# Altium PCB PCB22.PcbDoc (part 12 of 16) (continued)
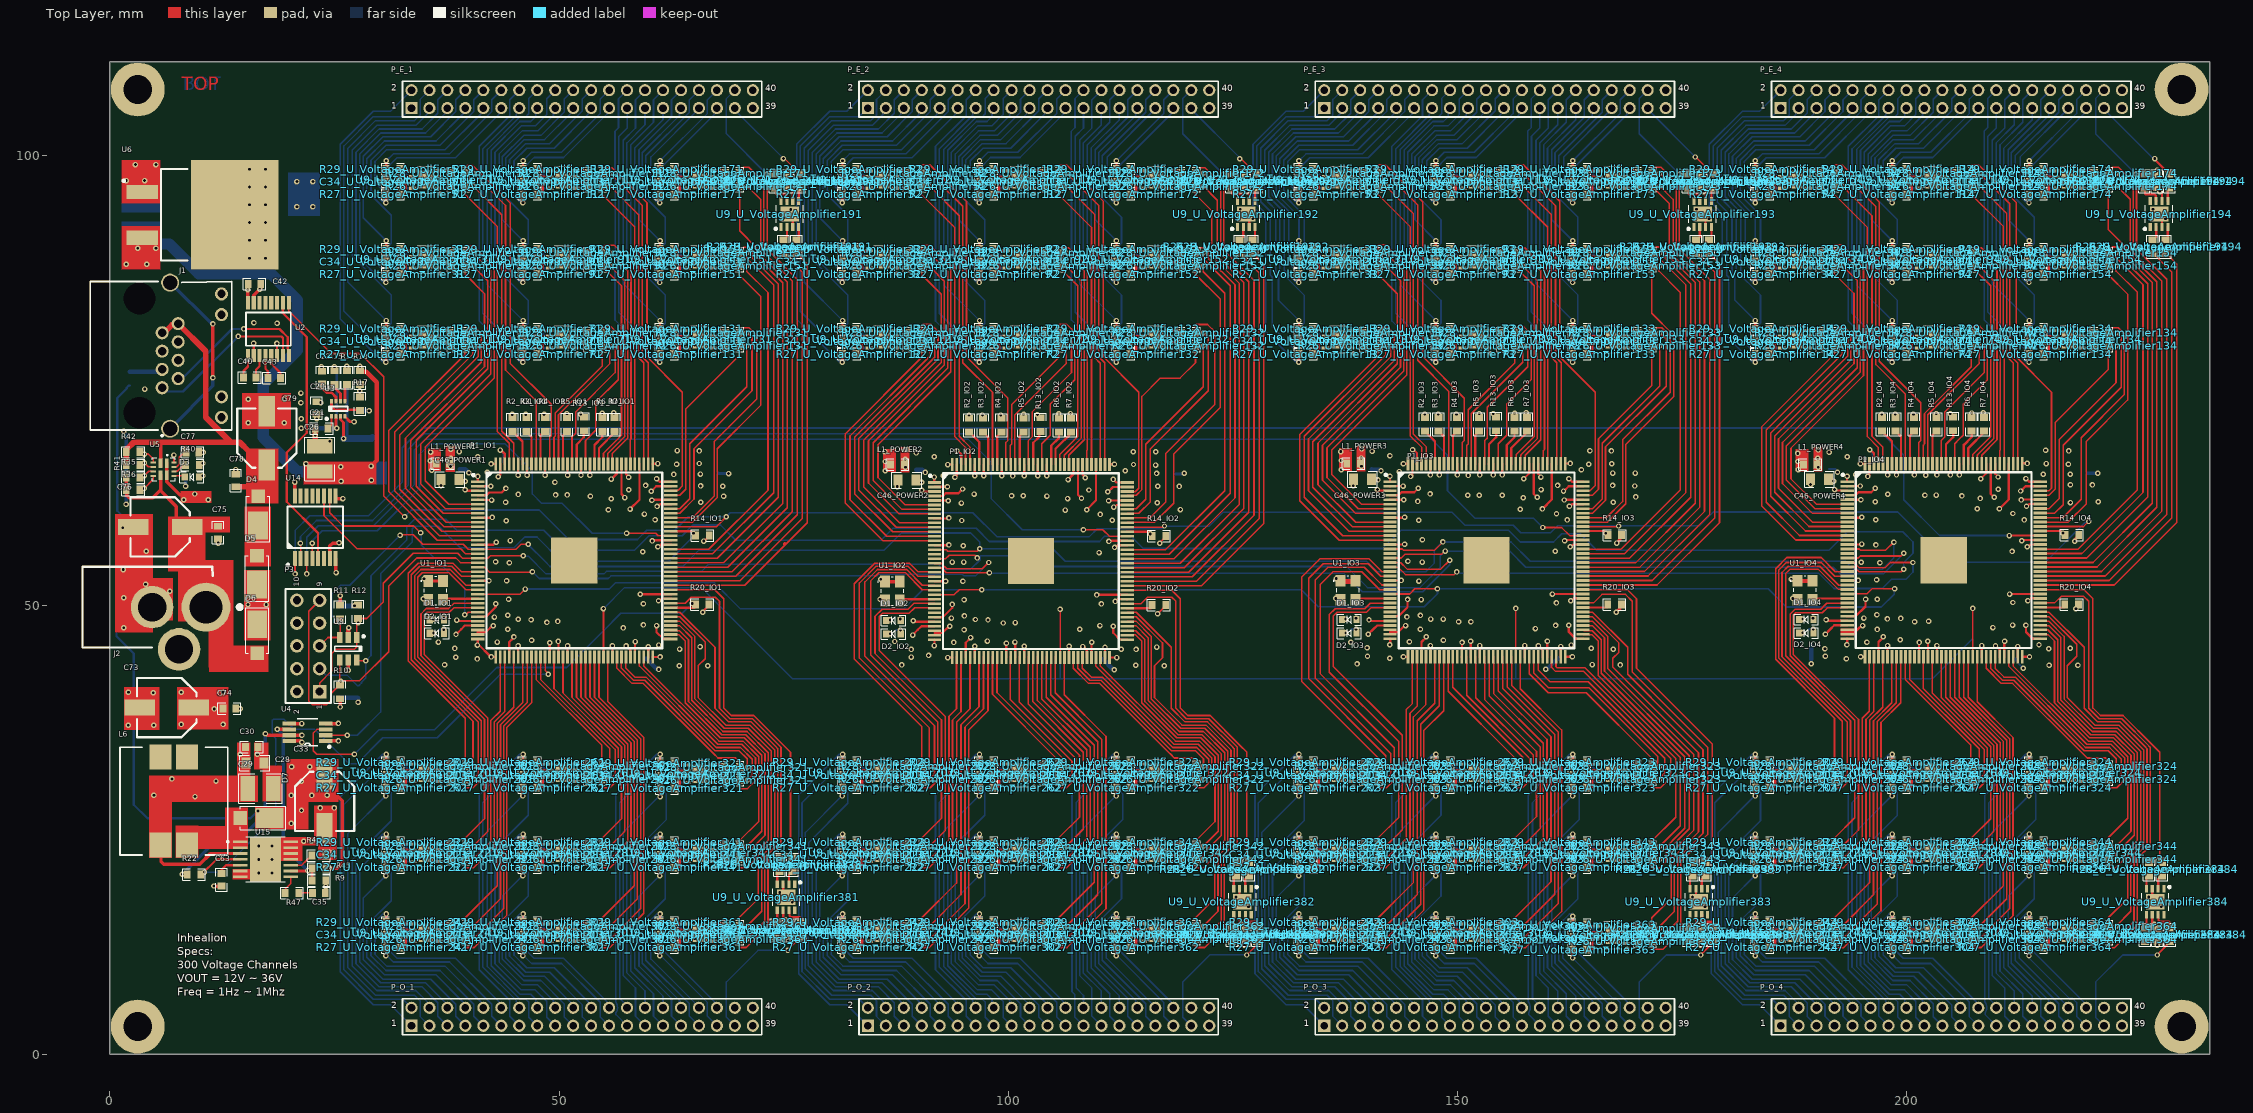
[diagram p0: Top Layer view]
## Nets (pads, with @x,y where several pads share a name; then routed paths per layer and width w, separated by ;. In a path a pad name is that pad's centre, name@x,y a point inside that pad or via, vN(x,y) a via of type N, cw(c..) or ccw(c..) an arc to the next point about the centre after c; other vN are vias at no path point) (continued)
V_OUT69: P_O_1.30 R27_U_VoltageAmplifier351.2 | length 20.9
  Bottom Layer w0.178: R27_U_VoltageAmplifier351.2@61.216,23.673 61.216,23.609 58.411,20.805 58.411,9.642 61.56,6.494 P_O_1.30@61.56,5.19
V_OUT70: P_O_1.32 R29_U_VoltageAmplifier351.2 | length 18.8
  Bottom Layer w0.178: R29_U_VoltageAmplifier351.2@61.216,20.879 61.216,20.815 61.799,20.232 61.799,17.332 59.241,14.773 59.241,10.155 63.395,6.001 63.395,5.355 P_O_1.32@63.56,5.19
V_OUT71: P_O_1.35 R27_U_VoltageAmplifier361.2 | length 11.4
  Top Layer w0.254: v1(61.205,10.989) 61.205,11.906 R27_U_VoltageAmplifier361.2@61.216,11.917
  Bottom Layer w0.178: v1@61.228,11.061 66.502,5.787 66.502,4.248 P_O_1.35@67.56,3.19
V_OUT72: P_O_1.33 R29_U_VoltageAmplifier361.2 | length 16.7
  Top Layer w0.254: R29_U_VoltageAmplifier361.2@61.216,14.711 61.228,14.723 v1(61.228,15.639)
  Bottom Layer w0.178: v1@61.205,15.711 61.122,15.628 60.859,15.628 59.655,14.424 59.655,10.491 64.502,5.644 64.502,4.248 P_O_1.33@65.56,3.19
V_OUT73: P_O_1.34 R27_U_VoltageAmplifier371.2 | length 12.2
  Bottom Layer w0.178: R27_U_VoltageAmplifier371.2@61.216,14.783 61.216,14.719 60.213,13.716 60.213,10.623 65.56,5.276 P_O_1.34@65.56,5.19
V_OUT74: P_O_1.36 R29_U_VoltageAmplifier371.2 | length 9.1
  Bottom Layer w0.178: R29_U_VoltageAmplifier371.2@61.216,11.989 61.216,11.925 67.336,5.806 67.336,5.731 67.486,5.582 P_O_1.36@67.56,5.582
V_OUT75: P_O_1.37 R27_U_VoltageAmplifier381.2 | length 15.7
  Top Layer w0.178: v1@75.47,11.61 R27_U_VoltageAmplifier381.2@76.914,13.055
  Top Layer w0.254: v1(75.47,11.572) v1@75.47,11.61 ; R27_U_VoltageAmplifier381.2@76.903,13.066 R27_U_VoltageAmplifier381.2@76.914,13.055
  Bottom Layer w0.178: P_O_1.37@69.56,3.19 68.618,4.132 68.618,8.056 72.134,11.572 v1(75.47,11.572)
V_OUT76: P_E_2.2 R27_U_VoltageAmplifier12.2 | length 37.9
  Top Layer w0.254: v1(81.525,77.029) 81.525,77.946 R27_U_VoltageAmplifier12.2@81.536,77.957
  Bottom Layer w0.178: v1(81.525,77.029) 81.442,77.112 81.179,77.112 76.429,81.862 76.429,101.308 80.111,104.99 82.02,104.99 P_E_2.2@84.36,107.33
V_OUT76_U_VoltageAmplifier_1xFPGA1: R29_U_VoltageAmplifier381.2 | length 0
  Top Layer w0.254: R29_U_VoltageAmplifier381.2@74.097,13.078 R29_U_VoltageAmplifier381.2@74.109,13.066
V_OUT76_U_VoltageAmplifier_1xFPGA2: R29_U_VoltageAmplifier382.2 | length 0
  Top Layer w0.254: R29_U_VoltageAmplifier382.2@124.897,12.57 R29_U_VoltageAmplifier382.2@124.909,12.558
V_OUT76_U_VoltageAmplifier_1xFPGA3: R29_U_VoltageAmplifier383.2 | length 0
  Top Layer w0.254: R29_U_VoltageAmplifier383.2@175.697,12.57 R29_U_VoltageAmplifier383.2@175.709,12.558
V_OUT76_U_VoltageAmplifier_1xFPGA4: R29_U_VoltageAmplifier384.2 | length 0
  Top Layer w0.254: R29_U_VoltageAmplifier384.2@226.497,12.57 R29_U_VoltageAmplifier384.2@226.509,12.558
V_OUT77: P_E_2.4 R29_U_VoltageAmplifier12.2 | length 34.6
  Top Layer w0.254: R29_U_VoltageAmplifier12.2@81.536,80.751 81.548,80.763 v1(81.548,81.679)
  Bottom Layer w0.178: v1(81.548,81.679) 77.287,85.941 77.287,100.868 80.358,103.94 84.697,103.94 85.323,104.566 85.323,106.293 P_E_2.4@86.36,107.33
V_OUT78: P_E_2.3 R27_U_VoltageAmplifier22.2 | length 32.7
  Bottom Layer w0.178: R27_U_VoltageAmplifier22.2@81.536,80.751 81.536,80.815 82.119,81.398 82.119,84.516 77.749,88.887 77.749,100.651 80.502,103.405 84.847,103.405 86.136,104.693 86.136,105.106 P_E_2.3@86.36,105.33
V_OUT79: P_E_2.1 R29_U_VoltageAmplifier22.2 | length 34.4
  Bottom Layer w0.178: R29_U_VoltageAmplifier22.2@81.536,77.957 81.536,78.021 76.847,82.71 76.847,101.11 80.12,104.384 83.414,104.384 P_E_2.1@84.36,105.33
V_OUT80: P_E_2.6 R27_U_VoltageAmplifier32.2 | length 30.9
  Top Layer w0.254: v1(81.525,85.919) 81.525,86.836 R27_U_VoltageAmplifier32.2@81.536,86.847
  Bottom Layer w0.178: v1(81.525,85.919) 81.442,86.002 81.179,86.002 78.189,88.992 78.189,100.428 80.76,103 85.535,103 87.302,104.767 87.302,106.272 P_E_2.6@88.36,107.33
V_OUT81: P_E_2.8 R29_U_VoltageAmplifier32.2 | length 26.6
  Top Layer w0.254: R29_U_VoltageAmplifier32.2@81.536,89.641 81.548,89.653 v1(81.548,90.569)
  Bottom Layer w0.178: v1(81.548,90.569) 79.003,93.114 79.003,99.966 81.188,102.151 86.513,102.151 89.302,104.94 89.302,106.272 P_E_2.8@90.36,107.33
V_OUT82: P_E_2.7 R27_U_VoltageAmplifier42.2 | length 25
  Bottom Layer w0.178: R27_U_VoltageAmplifier42.2@81.536,89.641 81.536,89.705 82.119,90.288 82.119,93.406 79.399,96.126 79.399,99.702 81.365,101.668 87.104,101.668 90.136,104.7 90.136,105.106 P_E_2.7@90.36,105.33
V_OUT83: P_E_2.5 R29_U_VoltageAmplifier42.2 | length 26.7
  Bottom Layer w0.178: R29_U_VoltageAmplifier42.2@81.536,86.847 81.536,86.911 78.607,89.84 78.607,100.23 80.932,102.556 85.936,102.556 88.047,104.667 88.047,104.7 88.36,105.013 P_E_2.5@88.36,105.33
V_OUT84: P_E_2.10 R27_U_VoltageAmplifier52.2 | length 23
  Top Layer w0.254: v1(81.525,94.809) 81.525,95.726 R27_U_VoltageAmplifier52.2@81.536,95.737
  Bottom Layer w0.178: v1(81.525,94.809) 81.442,94.892 81.179,94.892 79.861,96.21 79.861,99.526 81.52,101.185 87.546,101.185 91.302,104.94 91.302,106.272 P_E_2.10@92.36,107.33
V_OUT85: P_E_2.12 R29_U_VoltageAmplifier52.2 | length 17.8
  Top Layer w0.254: R29_U_VoltageAmplifier52.2@81.536,98.531 81.548,98.543 v1(81.548,99.459)
  Bottom Layer w0.178: v1(81.548,99.459) 82.32,100.231 88.593,100.231 93.302,104.94 93.302,106.272 P_E_2.12@94.36,107.33
V_OUT86: P_E_2.11 R27_U_VoltageAmplifier62.2 | length 15.9
  Bottom Layer w0.178: R27_U_VoltageAmplifier62.2@81.536,98.531 81.536,98.595 82.751,99.809 89.268,99.809 94.136,104.677 94.136,105.106 P_E_2.11@94.36,105.33
V_OUT87: P_E_2.9 R29_U_VoltageAmplifier62.2 | length 18.9
  Bottom Layer w0.178: R29_U_VoltageAmplifier62.2@81.536,95.737 81.536,95.801 80.301,97.036 80.301,99.394 81.595,100.688 88.103,100.688 92.064,104.649 92.064,104.717 92.36,105.013 P_E_2.9@92.36,105.33
V_OUT88: P_E_2.14 R27_U_VoltageAmplifier72.2 | length 35.3
  Top Layer w0.254: v1(96.765,77.029) 96.765,77.946 R27_U_VoltageAmplifier72.2@96.776,77.957
  Bottom Layer w0.178: P_E_2.14@96.36,107.33 95.302,106.272 95.302,104.492 91.896,101.086 91.896,81.635 96.419,77.112 96.682,77.112 v1(96.765,77.029)
V_OUT89: P_E_2.16 R29_U_VoltageAmplifier72.2 | length 30.9
  Top Layer w0.254: R29_U_VoltageAmplifier72.2@96.776,80.751 96.788,80.763 v1(96.788,81.679)
  Bottom Layer w0.178: v1(96.788,81.679) 92.816,85.651 92.816,100.731 96.426,104.341 97.064,104.341 97.418,104.696 97.418,106.388 P_E_2.16@98.36,107.33
V_OUT90: P_E_2.15 R27_U_VoltageAmplifier82.2 | length 29.1
  Bottom Layer w0.178: R27_U_VoltageAmplifier82.2@96.776,80.751 96.776,80.815 97.359,81.398 97.359,83.914 93.248,88.026 93.248,100.639 96.444,103.836 97.63,103.836 98.182,104.388 P_E_2.15@98.182,105.152
V_OUT91: P_E_2.13 R29_U_VoltageAmplifier82.2 | length 30.9
  Bottom Layer w0.178: P_E_2.13@96.36,105.33 96.36,105.013 96.048,104.701 96.048,104.526 92.309,100.787 92.309,82.488 96.776,78.021 R29_U_VoltageAmplifier82.2@96.776,77.957
V_OUT92: P_E_2.18 R27_U_VoltageAmplifier92.2 | length 27.5
  Top Layer w0.254: v1(96.765,85.919) 96.765,86.836 R27_U_VoltageAmplifier92.2@96.776,86.847
  Bottom Layer w0.178: v1(96.765,85.919) 96.682,86.002 96.419,86.002 93.661,88.76 93.661,100.431 96.575,103.345 98.146,103.345 99.41,104.609 99.41,106.38 P_E_2.18@100.36,107.33
V_OUT93: P_E_2.20 R29_U_VoltageAmplifier92.2 | length 23.1
  Top Layer w0.254: R29_U_VoltageAmplifier92.2@96.776,89.641 96.788,89.653 v1(96.788,90.569)
  Bottom Layer w0.178: v1(96.788,90.569) 94.467,92.89 94.467,99.912 96.847,102.292 98.769,102.292 101.348,104.871 101.348,106.318 P_E_2.20@102.36,107.33
V_OUT94: P_E_2.19 R27_U_VoltageAmplifier102.2 | length 21.4
  Bottom Layer w0.178: R27_U_VoltageAmplifier102.2@96.776,89.641 96.776,89.705 97.359,90.288 97.359,92.897 94.862,95.394 94.862,99.784 96.902,101.824 99.174,101.824 102.032,104.682 102.032,104.685 102.36,105.013 P_E_2.19@102.36,105.33
V_OUT95: P_E_2.17 R29_U_VoltageAmplifier102.2 | length 23.2
  Bottom Layer w0.178: R29_U_VoltageAmplifier102.2@96.776,86.847 96.776,86.911 94.111,89.576 94.111,100.227 96.673,102.789 98.42,102.789 100.172,104.542 100.172,105.142 P_E_2.17@100.36,105.33
V_OUT96: P_E_2.22 R27_U_VoltageAmplifier112.2 | length 19.5
  Top Layer w0.254: v1(96.765,94.809) 96.765,95.726 R27_U_VoltageAmplifier112.2@96.776,95.737
  Bottom Layer w0.178: v1(96.765,94.809) 96.682,94.892 96.419,94.892 95.275,96.035 95.275,99.576 97.082,101.382 99.744,101.382 103.393,105.031 103.393,106.363 P_E_2.22@104.36,107.33
V_OUT97: P_E_2.24 R29_U_VoltageAmplifier112.2 | length 14.7
  Top Layer w0.254: R29_U_VoltageAmplifier112.2@96.776,98.531 96.788,98.543 v1(96.788,99.459)
  Bottom Layer w0.178: v1(96.788,99.459) 97.73,100.401 101.059,100.401 105.377,104.719 105.377,106.347 P_E_2.24@106.36,107.33
V_OUT98: P_E_2.23 R27_U_VoltageAmplifier122.2 | length 12.7
  Bottom Layer w0.178: R27_U_VoltageAmplifier122.2@96.776,98.531 96.776,98.595 98.01,99.829 101.295,99.829 106.136,104.669 106.136,105.106 P_E_2.23@106.36,105.33
V_OUT99: P_E_2.21 R29_U_VoltageAmplifier122.2 | length 15.4
  Bottom Layer w0.178: R29_U_VoltageAmplifier122.2@96.776,95.737 96.776,95.801 95.773,96.804 95.773,99.468 97.18,100.875 100.267,100.875 104.053,104.661 104.053,104.705 104.36,105.013 P_E_2.21@104.36,105.33
V_OUT100: P_E_2.26 R27_U_VoltageAmplifier132.2 | length 34
  Top Layer w0.254: v1(112.005,77.029) 112.005,77.946 R27_U_VoltageAmplifier132.2@112.016,77.957
  Bottom Layer w0.178: P_E_2.26@108.36,107.33 107.418,106.388 107.418,103.169 107.021,102.772 107.021,98.34 107.025,98.336 107.025,87.525 107.021,87.521 107.021,81.75 111.659,77.112 111.922,77.112 v1(112.005,77.029)
V_OUT101: P_E_2.28 R29_U_VoltageAmplifier132.2 | length 29.3
  Top Layer w0.254: R29_U_VoltageAmplifier132.2@112.016,80.751 112.028,80.763 v1(112.028,81.679)
  Bottom Layer w0.178: P_E_2.28@110.36,107.33 109.302,106.272 109.302,103.119 107.929,101.746 107.929,85.778 v1(112.028,81.679)
V_OUT102: P_E_2.27 R27_U_VoltageAmplifier142.2 | length 27.4
  Bottom Layer w0.178: P_E_2.27@110.36,105.33 110.36,103.467 108.343,101.45 108.343,88.772 112.599,84.516 112.599,81.398 112.016,80.815 R27_U_VoltageAmplifier142.2@112.016,80.751
V_OUT103: P_E_2.25 R29_U_VoltageAmplifier142.2 | length 29.7
  Bottom Layer w0.178: P_E_2.25@108.36,105.33 108.36,103.117 107.436,102.192 107.436,82.601 112.016,78.021 R29_U_VoltageAmplifier142.2@112.016,77.957
V_OUT104: P_E_2.30 R27_U_VoltageAmplifier152.2 | length 25.3
  Top Layer w0.254: v1(112.005,85.919) 112.005,86.836 R27_U_VoltageAmplifier152.2@112.016,86.847
  Bottom Layer w0.178: v1(112.005,85.919) 111.922,86.002 111.659,86.002 108.777,88.883 108.777,101.233 111.302,103.757 111.302,106.272 P_E_2.30@112.36,107.33
V_OUT105: P_E_2.32 R29_U_VoltageAmplifier152.2 | length 20.6
  Top Layer w0.254: R29_U_VoltageAmplifier152.2@112.016,89.641 112.028,89.653 v1(112.028,90.569)
  Bottom Layer w0.178: v1(112.028,90.569) 109.685,92.912 109.685,100.68 113.302,104.297 113.302,106.272 P_E_2.32@114.36,107.33
V_OUT106: P_E_2.31 R27_U_VoltageAmplifier162.2 | length 18.8
  Bottom Layer w0.178: R27_U_VoltageAmplifier162.2@112.016,89.641 112.016,89.705 112.599,90.288 112.599,93.188 110.041,95.747 110.041,100.365 114.195,104.519 114.195,105.165 P_E_2.31@114.36,105.33
V_OUT107: P_E_2.29 R29_U_VoltageAmplifier162.2 | length 20.9
  Bottom Layer w0.178: R29_U_VoltageAmplifier162.2@112.016,86.847 112.016,86.911 109.211,89.715 109.211,100.878 112.36,104.026 P_E_2.29@112.36,105.33
V_OUT108: P_E_2.34 R27_U_VoltageAmplifier172.2 | length 16.7
  Top Layer w0.254: v1(112.005,94.809) 112.005,95.726 R27_U_VoltageAmplifier172.2@112.016,95.737
  Bottom Layer w0.178: v1(112.005,94.809) 111.922,94.892 111.659,94.892 110.455,96.096 110.455,100.029 115.302,104.876 115.302,106.272 P_E_2.34@116.36,107.33
V_OUT109: P_E_2.36 R29_U_VoltageAmplifier172.2 | length 11.4
  Top Layer w0.254: R29_U_VoltageAmplifier172.2@112.016,98.531 112.028,98.543 v1(112.028,99.459)
  Bottom Layer w0.178: v1(112.028,99.459) 117.302,104.733 117.302,106.272 P_E_2.36@118.36,107.33
V_OUT110: P_E_2.35 R27_U_VoltageAmplifier182.2 | length 9.1
  Bottom Layer w0.178: R27_U_VoltageAmplifier182.2@112.016,98.531 112.016,98.595 118.136,104.714 118.136,104.789 118.286,104.938 P_E_2.35@118.36,104.938
V_OUT111: P_E_2.33 R29_U_VoltageAmplifier182.2 | length 12.2
  Bottom Layer w0.178: R29_U_VoltageAmplifier182.2@112.016,95.737 112.016,95.801 111.013,96.804 111.013,99.897 116.36,105.244 P_E_2.33@116.36,105.33
V_OUT112: P_E_2.38 R27_U_VoltageAmplifier192.2 | length 12.5
  Top Layer w0.254: v1(123.909,97.973) 124.826,97.973 R27_U_VoltageAmplifier192.2@124.837,97.962
  Bottom Layer w0.178: P_E_2.38@120.36,107.33 119.418,106.388 119.418,102.464 v1(123.909,97.973)
V_OUT113: P_E_2.37 R29_U_VoltageAmplifier192.2 | length 10.4
  Top Layer w0.178: v1(125.746,99.688) 125.905,99.688 R29_U_VoltageAmplifier192.2@127.631,97.962
  Bottom Layer w0.178: P_E_2.37@120.36,105.33 120.36,105.191 125.663,99.888 v1@125.745,99.806
V_OUT114: P_O_2.3 R27_U_VoltageAmplifier202.2 | length 34.6
  Top Layer w0.254: v1(81.525,28.769) 81.525,29.686 R27_U_VoltageAmplifier202.2@81.536,29.697
  Bottom Layer w0.178: v1@81.548,28.841 77.415,24.707 77.415,21.802 77.393,21.781 77.393,9.721 77.415,9.7 77.415,9.524 80.358,6.58 84.697,6.58 85.323,5.954 85.323,4.227 P_O_2.3@86.36,3.19
V_OUT115: P_O_2.1 R29_U_VoltageAmplifier202.2 | length 37.7
  Top Layer w0.254: R29_U_VoltageAmplifier202.2@81.536,32.491 81.548,32.503 v1(81.548,33.419)
  Bottom Layer w0.178: v1@81.525,33.491 81.442,33.408 81.179,33.408 76.656,28.885 76.656,8.985 80.111,5.53 82.02,5.53 P_O_2.1@84.36,3.19
V_OUT116: P_O_2.2 R27_U_VoltageAmplifier212.2 | length 34.1
  Bottom Layer w0.178: R27_U_VoltageAmplifier212.2@81.536,32.499 77.035,27.998 77.035,9.221 80.12,6.136 83.414,6.136 P_O_2.2@84.36,5.19
V_OUT117: P_O_2.4 R29_U_VoltageAmplifier212.2 | length 32.7
  Bottom Layer w0.178: R29_U_VoltageAmplifier212.2@81.536,29.705 82.119,29.122 82.119,27.94 77.77,23.591 77.77,21.655 77.749,21.633 77.749,9.869 80.502,7.115 84.847,7.115 86.136,5.827 86.136,5.414 P_O_2.4@86.36,5.19
V_OUT118: P_O_2.7 R27_U_VoltageAmplifier222.2 | length 26.6
  Top Layer w0.254: v1(81.525,19.879) 81.525,20.796 R27_U_VoltageAmplifier222.2@81.536,20.807
  Bottom Layer w0.178: v1@81.548,19.951 79.003,17.406 79.003,10.554 81.188,8.369 86.513,8.369 89.302,5.58 89.302,4.248 P_O_2.7@90.36,3.19
V_OUT119: P_O_2.5 R29_U_VoltageAmplifier222.2 | length 30.9
  Top Layer w0.254: R29_U_VoltageAmplifier222.2@81.536,23.601 81.548,23.613 v1(81.548,24.529)
  Bottom Layer w0.178: v1@81.525,24.601 81.442,24.518 81.179,24.518 78.189,21.528 78.189,10.092 80.76,7.52 85.535,7.52 87.302,5.753 87.302,4.248 P_O_2.5@88.36,3.19
V_OUT120: P_O_2.6 R27_U_VoltageAmplifier232.2 | length 26.7
  Bottom Layer w0.178: R27_U_VoltageAmplifier232.2@81.536,23.673 81.536,23.609 78.607,20.68 78.607,10.29 80.932,7.964 85.936,7.964 88.047,5.853 88.047,5.82 88.36,5.507 P_O_2.6@88.36,5.19
V_OUT121: P_O_2.8 R29_U_VoltageAmplifier232.2 | length 25
  Bottom Layer w0.178: R29_U_VoltageAmplifier232.2@81.536,20.879 81.536,20.815 82.119,20.232 82.119,17.114 79.399,14.394 79.399,10.818 81.365,8.852 87.104,8.852 90.136,5.82 90.136,5.414 P_O_2.8@90.36,5.19
V_OUT122: P_O_2.11 R27_U_VoltageAmplifier242.2 | length 17.8
  Top Layer w0.254: v1(81.525,10.989) 81.525,11.906 R27_U_VoltageAmplifier242.2@81.536,11.917
  Bottom Layer w0.178: v1@81.548,11.061 82.32,10.289 88.593,10.289 93.302,5.58 93.302,4.248 P_O_2.11@94.36,3.19
V_OUT123: P_O_2.9 R29_U_VoltageAmplifier242.2 | length 23
  Top Layer w0.254: R29_U_VoltageAmplifier242.2@81.536,14.711 81.548,14.723 v1(81.548,15.639)
  Bottom Layer w0.178: v1@81.525,15.711 81.442,15.628 81.179,15.628 79.861,14.31 79.861,10.994 81.52,9.335 87.546,9.335 91.302,5.58 91.302,4.248 P_O_2.9@92.36,3.19
V_OUT124: P_O_2.10 R27_U_VoltageAmplifier252.2 | length 18.9
  Bottom Layer w0.178: R27_U_VoltageAmplifier252.2@81.536,14.783 81.536,14.719 80.301,13.484 80.301,11.126 81.595,9.832 88.103,9.832 92.064,5.871 92.064,5.803 92.36,5.507 P_O_2.10@92.36,5.19
V_OUT125: P_O_2.12 R29_U_VoltageAmplifier252.2 | length 15.9
  Bottom Layer w0.178: R29_U_VoltageAmplifier252.2@81.536,11.989 81.536,11.925 82.751,10.711 89.268,10.711 94.136,5.843 94.136,5.414 P_O_2.12@94.36,5.19
V_OUT126: P_O_2.15 R27_U_VoltageAmplifier262.2 | length 30.9
  Top Layer w0.254: v1(96.765,28.769) 96.765,29.686 R27_U_VoltageAmplifier262.2@96.776,29.697
  Bottom Layer w0.178: v1@96.788,28.841 92.816,24.869 92.816,9.789 96.426,6.179 97.064,6.179 97.418,5.824 97.418,4.132 P_O_2.15@98.36,3.19
V_OUT127: P_O_2.13 R29_U_VoltageAmplifier262.2 | length 35.3
  Top Layer w0.254: R29_U_VoltageAmplifier262.2@96.776,32.491 96.788,32.503 v1(96.788,33.419)
  Bottom Layer w0.178: P_O_2.13@96.36,3.19 95.302,4.248 95.302,6.028 91.896,9.434 91.896,28.885 96.419,33.408 96.682,33.408 v1@96.765,33.491
V_OUT128: P_O_2.14 R27_U_VoltageAmplifier272.2 | length 30.9
  Bottom Layer w0.178: P_O_2.14@96.36,5.19 96.36,5.507 96.048,5.819 96.048,5.994 92.309,9.733 92.309,28.032 96.776,32.499 R27_U_VoltageAmplifier272.2@96.776,32.563
V_OUT129: P_O_2.16 R29_U_VoltageAmplifier272.2 | length 29.1
  Bottom Layer w0.178: R29_U_VoltageAmplifier272.2@96.776,29.769 96.776,29.705 97.359,29.122 97.359,26.606 93.248,22.494 93.248,9.881 96.444,6.684 97.63,6.684 98.182,6.132 P_O_2.16@98.182,5.368
V_OUT130: P_O_2.19 R27_U_VoltageAmplifier282.2 | length 23.1
  Top Layer w0.254: v1(96.765,19.879) 96.765,20.796 R27_U_VoltageAmplifier282.2@96.776,20.807
  Bottom Layer w0.178: v1@96.788,19.951 94.467,17.63 94.467,10.608 96.847,8.228 98.769,8.228 101.348,5.649 101.348,4.202 P_O_2.19@102.36,3.19
V_OUT131: P_O_2.17 R29_U_VoltageAmplifier282.2 | length 27.5
  Top Layer w0.254: R29_U_VoltageAmplifier282.2@96.776,23.601 96.788,23.613 v1(96.788,24.529)
  Bottom Layer w0.178: v1@96.765,24.601 96.682,24.518 96.419,24.518 93.661,21.76 93.661,10.089 96.575,7.175 98.146,7.175 99.41,5.911 99.41,4.14 P_O_2.17@100.36,3.19
V_OUT132: P_O_2.18 R27_U_VoltageAmplifier292.2 | length 23.2
  Bottom Layer w0.178: R27_U_VoltageAmplifier292.2@96.776,23.673 96.776,23.609 94.111,20.944 94.111,10.293 96.673,7.731 98.42,7.731 100.172,5.978 100.172,5.378 P_O_2.18@100.36,5.19
V_OUT133: P_O_2.20 R29_U_VoltageAmplifier292.2 | length 21.4
  Bottom Layer w0.178: R29_U_VoltageAmplifier292.2@96.776,20.879 96.776,20.815 97.359,20.232 97.359,17.623 94.862,15.126 94.862,10.736 96.902,8.696 99.174,8.696 102.032,5.838 102.032,5.835 102.36,5.507 P_O_2.20@102.36,5.19
V_OUT134: P_O_2.23 R27_U_VoltageAmplifier302.2 | length 14.7
  Top Layer w0.254: v1(96.765,10.989) 96.765,11.906 R27_U_VoltageAmplifier302.2@96.776,11.917
  Bottom Layer w0.178: v1@96.788,11.061 97.73,10.119 101.059,10.119 105.377,5.801 105.377,4.173 P_O_2.23@106.36,3.19
V_OUT135: P_O_2.21 R29_U_VoltageAmplifier302.2 | length 19.5
  Top Layer w0.254: R29_U_VoltageAmplifier302.2@96.776,14.711 96.788,14.723 v1(96.788,15.639)
  Bottom Layer w0.178: v1@96.765,15.711 96.682,15.628 96.419,15.628 95.275,14.485 95.275,10.944 97.082,9.138 99.744,9.138 103.393,5.489 103.393,4.157 P_O_2.21@104.36,3.19
V_OUT136: P_O_2.22 R27_U_VoltageAmplifier312.2 | length 15.4
  Bottom Layer w0.178: R27_U_VoltageAmplifier312.2@96.776,14.783 96.776,14.719 95.773,13.716 95.773,11.052 97.18,9.645 100.267,9.645 104.053,5.859 104.053,5.815 104.36,5.507 P_O_2.22@104.36,5.19
V_OUT137: P_O_2.24 R29_U_VoltageAmplifier312.2 | length 12.7
  Bottom Layer w0.178: R29_U_VoltageAmplifier312.2@96.776,11.989 96.776,11.925 98.01,10.691 101.295,10.691 106.136,5.851 106.136,5.414 P_O_2.24@106.36,5.19
V_OUT138: P_O_2.27 R27_U_VoltageAmplifier322.2 | length 29.3
  Top Layer w0.254: v1(112.005,28.769) 112.005,29.686 R27_U_VoltageAmplifier322.2@112.016,29.697
  Bottom Layer w0.178: P_O_2.27@110.36,3.19 109.302,4.248 109.302,7.401 107.929,8.774 107.929,24.742 v1@112.028,28.841
V_OUT139: P_O_2.25 R29_U_VoltageAmplifier322.2 | length 34
  Top Layer w0.254: R29_U_VoltageAmplifier322.2@112.016,32.491 112.028,32.503 v1(112.028,33.419)
  Bottom Layer w0.178: P_O_2.25@108.36,3.19 107.37,4.18 107.37,6.693 107.081,6.982 107.081,28.83 111.659,33.408 111.922,33.408 v1@112.005,33.491
V_OUT140: P_O_2.26 R27_U_VoltageAmplifier332.2 | length 29.5
  Bottom Layer w0.178: P_O_2.26@108.36,5.19 108.36,6.567 107.547,7.381 107.547,28.03 R27_U_VoltageAmplifier332.2@112.016,32.499
V_OUT141: P_O_2.28 R29_U_VoltageAmplifier332.2 | length 27.5
  Bottom Layer w0.178: P_O_2.28@110.36,5.19 110.36,7.053 108.343,9.07 108.343,21.748 112.743,26.147 112.743,28.979 R29_U_VoltageAmplifier332.2@112.016,29.705
V_OUT142: P_O_2.31 R27_U_VoltageAmplifier342.2 | length 20.6
  Top Layer w0.254: v1(112.005,19.879) 112.005,20.796 R27_U_VoltageAmplifier342.2@112.016,20.807
  Bottom Layer w0.178: v1@112.028,19.951 109.685,17.608 109.685,9.84 113.302,6.223 113.302,4.248 P_O_2.31@114.36,3.19
V_OUT143: P_O_2.29 R29_U_VoltageAmplifier342.2 | length 25.3
  Top Layer w0.254: R29_U_VoltageAmplifier342.2@112.016,23.601 112.028,23.613 v1(112.028,24.529)
  Bottom Layer w0.178: v1@112.005,24.601 111.922,24.518 111.659,24.518 108.777,21.637 108.777,9.287 111.302,6.763 111.302,4.248 P_O_2.29@112.36,3.19
V_OUT144: P_O_2.30 R27_U_VoltageAmplifier352.2 | length 20.9
  Bottom Layer w0.178: R27_U_VoltageAmplifier352.2@112.016,23.673 112.016,23.609 109.211,20.805 109.211,9.642 112.36,6.494 P_O_2.30@112.36,5.19
V_OUT145: P_O_2.32 R29_U_VoltageAmplifier352.2 | length 18.8
  Bottom Layer w0.178: R29_U_VoltageAmplifier352.2@112.016,20.879 112.016,20.815 112.599,20.232 112.599,17.332 110.041,14.773 110.041,10.155 114.195,6.001 114.195,5.355 P_O_2.32@114.36,5.19
V_OUT146: P_O_2.35 R27_U_VoltageAmplifier362.2 | length 11.4
  Top Layer w0.254: v1(112.005,10.989) 112.005,11.906 R27_U_VoltageAmplifier362.2@112.016,11.917
  Bottom Layer w0.178: v1@112.028,11.061 117.302,5.787 117.302,4.248 P_O_2.35@118.36,3.19
V_OUT147: P_O_2.33 R29_U_VoltageAmplifier362.2 | length 16.7
  Top Layer w0.254: R29_U_VoltageAmplifier362.2@112.016,14.711 112.028,14.723 v1(112.028,15.639)
  Bottom Layer w0.178: v1@112.005,15.711 111.922,15.628 111.659,15.628 110.455,14.424 110.455,10.491 115.302,5.644 115.302,4.248 P_O_2.33@116.36,3.19
V_OUT148: P_O_2.34 R27_U_VoltageAmplifier372.2 | length 12.2
  Bottom Layer w0.178: R27_U_VoltageAmplifier372.2@112.016,14.719 110.914,13.617 110.914,10.722 116.36,5.276 P_O_2.34@116.36,5.19
V_OUT149: P_O_2.36 R29_U_VoltageAmplifier372.2 | length 9.1
  Bottom Layer w0.178: R29_U_VoltageAmplifier372.2@112.016,11.989 112.016,11.925 118.136,5.806 118.136,5.731 118.286,5.582 P_O_2.36@118.36,5.582
V_OUT150: P_O_2.37 R27_U_VoltageAmplifier382.2 | length 15.7
  Top Layer w0.178: v1(126.524,11.064) R27_U_VoltageAmplifier382.2@128.007,12.547
  Bottom Layer w0.178: P_O_2.37@120.36,3.19 119.418,4.132 119.418,8.056 122.443,11.081 126.507,11.081 v1(126.524,11.064)
V_OUT151: P_E_3.2 R27_U_VoltageAmplifier13.2 | length 37.9
  Top Layer w0.254: v1(132.325,77.029) 132.325,77.946 R27_U_VoltageAmplifier13.2@132.336,77.957
  Bottom Layer w0.178: v1(132.325,77.029) 132.242,77.112 131.979,77.112 128.646,80.444 128.646,92.958 127.229,94.376 127.229,101.308 130.911,104.99 132.82,104.99 P_E_3.2@135.16,107.33
V_OUT152: P_E_3.4 R29_U_VoltageAmplifier13.2 | length 34.6
  Top Layer w0.254: R29_U_VoltageAmplifier13.2@132.336,80.751 132.348,80.763 v1(132.348,81.679)
  Bottom Layer w0.178: v1(132.348,81.679) 130.073,83.955 130.073,86.86 129.753,87.18 129.753,93.246 128.087,94.912 128.087,100.868 131.158,103.94 135.497,103.94 136.123,104.566 136.123,106.293 P_E_3.4@137.16,107.33
V_OUT153: P_E_3.3 R27_U_VoltageAmplifier23.2 | length 32.7
  Bottom Layer w0.178: R27_U_VoltageAmplifier23.2@132.336,80.751 132.336,80.815 132.919,81.398 132.919,84.516 130.229,87.206 130.229,93.553 128.549,95.233 128.549,100.651 131.302,103.405 135.647,103.405 136.936,104.693 136.936,105.106 P_E_3.3@137.16,105.33
V_OUT154: P_E_3.1 R29_U_VoltageAmplifier23.2 | length 34.4
  Bottom Layer w0.178: R29_U_VoltageAmplifier23.2@132.336,77.957 132.336,78.021 129.38,80.976 129.38,86.502 129.169,86.714 129.169,93.077 127.647,94.599 127.647,101.11 130.92,104.384 134.214,104.384 P_E_3.1@135.16,105.33
V_OUT155: P_E_3.6 R27_U_VoltageAmplifier33.2 | length 30.9
  Top Layer w0.254: v1(132.325,85.919) 132.325,86.836 R27_U_VoltageAmplifier33.2@132.336,86.847
  Bottom Layer w0.178: v1(132.325,85.919) 132.242,86.002 131.979,86.002 130.705,87.275 130.705,93.738 128.989,95.454 128.989,100.428 131.56,103 136.335,103 138.102,104.767 138.102,106.272 P_E_3.6@139.16,107.33
V_OUT156: P_E_3.8 R29_U_VoltageAmplifier33.2 | length 26.6
  Top Layer w0.254: R29_U_VoltageAmplifier33.2@132.336,89.641 132.348,89.653 v1(132.348,90.569)
  Bottom Layer w0.178: v1(132.348,90.569) 132.348,93.268 129.803,95.813 129.803,99.966 131.988,102.151 137.313,102.151 140.102,104.94 140.102,106.272 P_E_3.8@141.16,107.33
V_OUT157: P_E_3.7 R27_U_VoltageAmplifier43.2 | length 25
  Bottom Layer w0.178: R27_U_VoltageAmplifier43.2@132.336,89.641 132.336,89.705 132.919,90.288 132.919,93.406 130.199,96.126 130.199,99.702 132.165,101.668 137.904,101.668 140.936,104.7 140.936,105.106 P_E_3.7@141.16,105.33
V_OUT158: P_E_3.5 R29_U_VoltageAmplifier43.2 | length 26.7
  Bottom Layer w0.178: R29_U_VoltageAmplifier43.2@132.336,86.847 132.336,86.911 131.202,88.045 131.202,93.84 129.407,95.635 129.407,100.23 131.732,102.556 136.736,102.556 138.847,104.667 138.847,104.7 139.16,105.013 P_E_3.5@139.16,105.33
V_OUT159: P_E_3.10 R27_U_VoltageAmplifier53.2 | length 23
  Top Layer w0.254: v1(132.325,94.809) 132.325,95.726 R27_U_VoltageAmplifier53.2@132.336,95.737
  Bottom Layer w0.178: v1(132.325,94.809) 132.242,94.892 131.979,94.892 130.661,96.21 130.661,99.526 132.32,101.185 138.346,101.185 142.102,104.94 142.102,106.272 P_E_3.10@143.16,107.33
V_OUT160: P_E_3.12 R29_U_VoltageAmplifier53.2 | length 17.8
  Top Layer w0.254: R29_U_VoltageAmplifier53.2@132.336,98.531 132.348,98.543 v1(132.348,99.459)
  Bottom Layer w0.178: v1(132.348,99.459) 133.12,100.231 139.393,100.231 144.102,104.94 144.102,106.272 P_E_3.12@145.16,107.33
V_OUT161: P_E_3.11 R27_U_VoltageAmplifier63.2 | length 15.9
  Bottom Layer w0.178: R27_U_VoltageAmplifier63.2@132.336,98.531 132.336,98.595 133.551,99.809 140.068,99.809 144.936,104.677 144.936,105.106 P_E_3.11@145.16,105.33
V_OUT162: P_E_3.9 R29_U_VoltageAmplifier63.2 | length 18.9
  Bottom Layer w0.178: R29_U_VoltageAmplifier63.2@132.336,95.737 132.336,95.801 131.101,97.036 131.101,99.394 132.395,100.688 138.903,100.688 142.864,104.649 142.864,104.717 143.16,105.013 P_E_3.9@143.16,105.33
V_OUT163: P_E_3.14 R27_U_VoltageAmplifier73.2 | length 35.3
  Top Layer w0.254: v1(147.565,77.029) 147.565,77.946 R27_U_VoltageAmplifier73.2@147.576,77.957
  Bottom Layer w0.178: P_E_3.14@147.16,107.33 146.102,106.272 146.102,104.492 142.696,101.086 142.696,81.635 147.219,77.112 147.482,77.112 v1(147.565,77.029)
V_OUT164: P_E_3.16 R29_U_VoltageAmplifier73.2 | length 30.9
  Top Layer w0.254: R29_U_VoltageAmplifier73.2@147.576,80.751 147.588,80.763 v1(147.588,81.679)
  Bottom Layer w0.178: v1(147.588,81.679) 143.616,85.651 143.616,100.731 147.226,104.341 147.864,104.341 148.218,104.696 148.218,106.388 P_E_3.16@149.16,107.33
V_OUT165: P_E_3.15 R27_U_VoltageAmplifier83.2 | length 29.1
  Bottom Layer w0.178: R27_U_VoltageAmplifier83.2@147.576,80.751 147.576,80.815 148.159,81.398 148.159,83.914 144.048,88.026 144.048,100.639 147.244,103.836 148.43,103.836 148.982,104.388 P_E_3.15@148.982,105.152
V_OUT166: P_E_3.13 R29_U_VoltageAmplifier83.2 | length 30.9
  Bottom Layer w0.178: P_E_3.13@147.16,105.33 147.16,105.013 146.848,104.701 146.848,104.526 143.109,100.787 143.109,82.488 147.576,78.021 R29_U_VoltageAmplifier83.2@147.576,77.957